# Altium PCB PCB1.PcbDoc (part 1 of 2)
Units mm, origin at the board's own origin, x right, y up, seen from the top; angles counter-clockwise.
Board outline 152.4 x 101.6 mm, 2 copper layers (Top Layer, Bottom Layer); 174 components, 0 nets, 1020 pads, 426 vias.
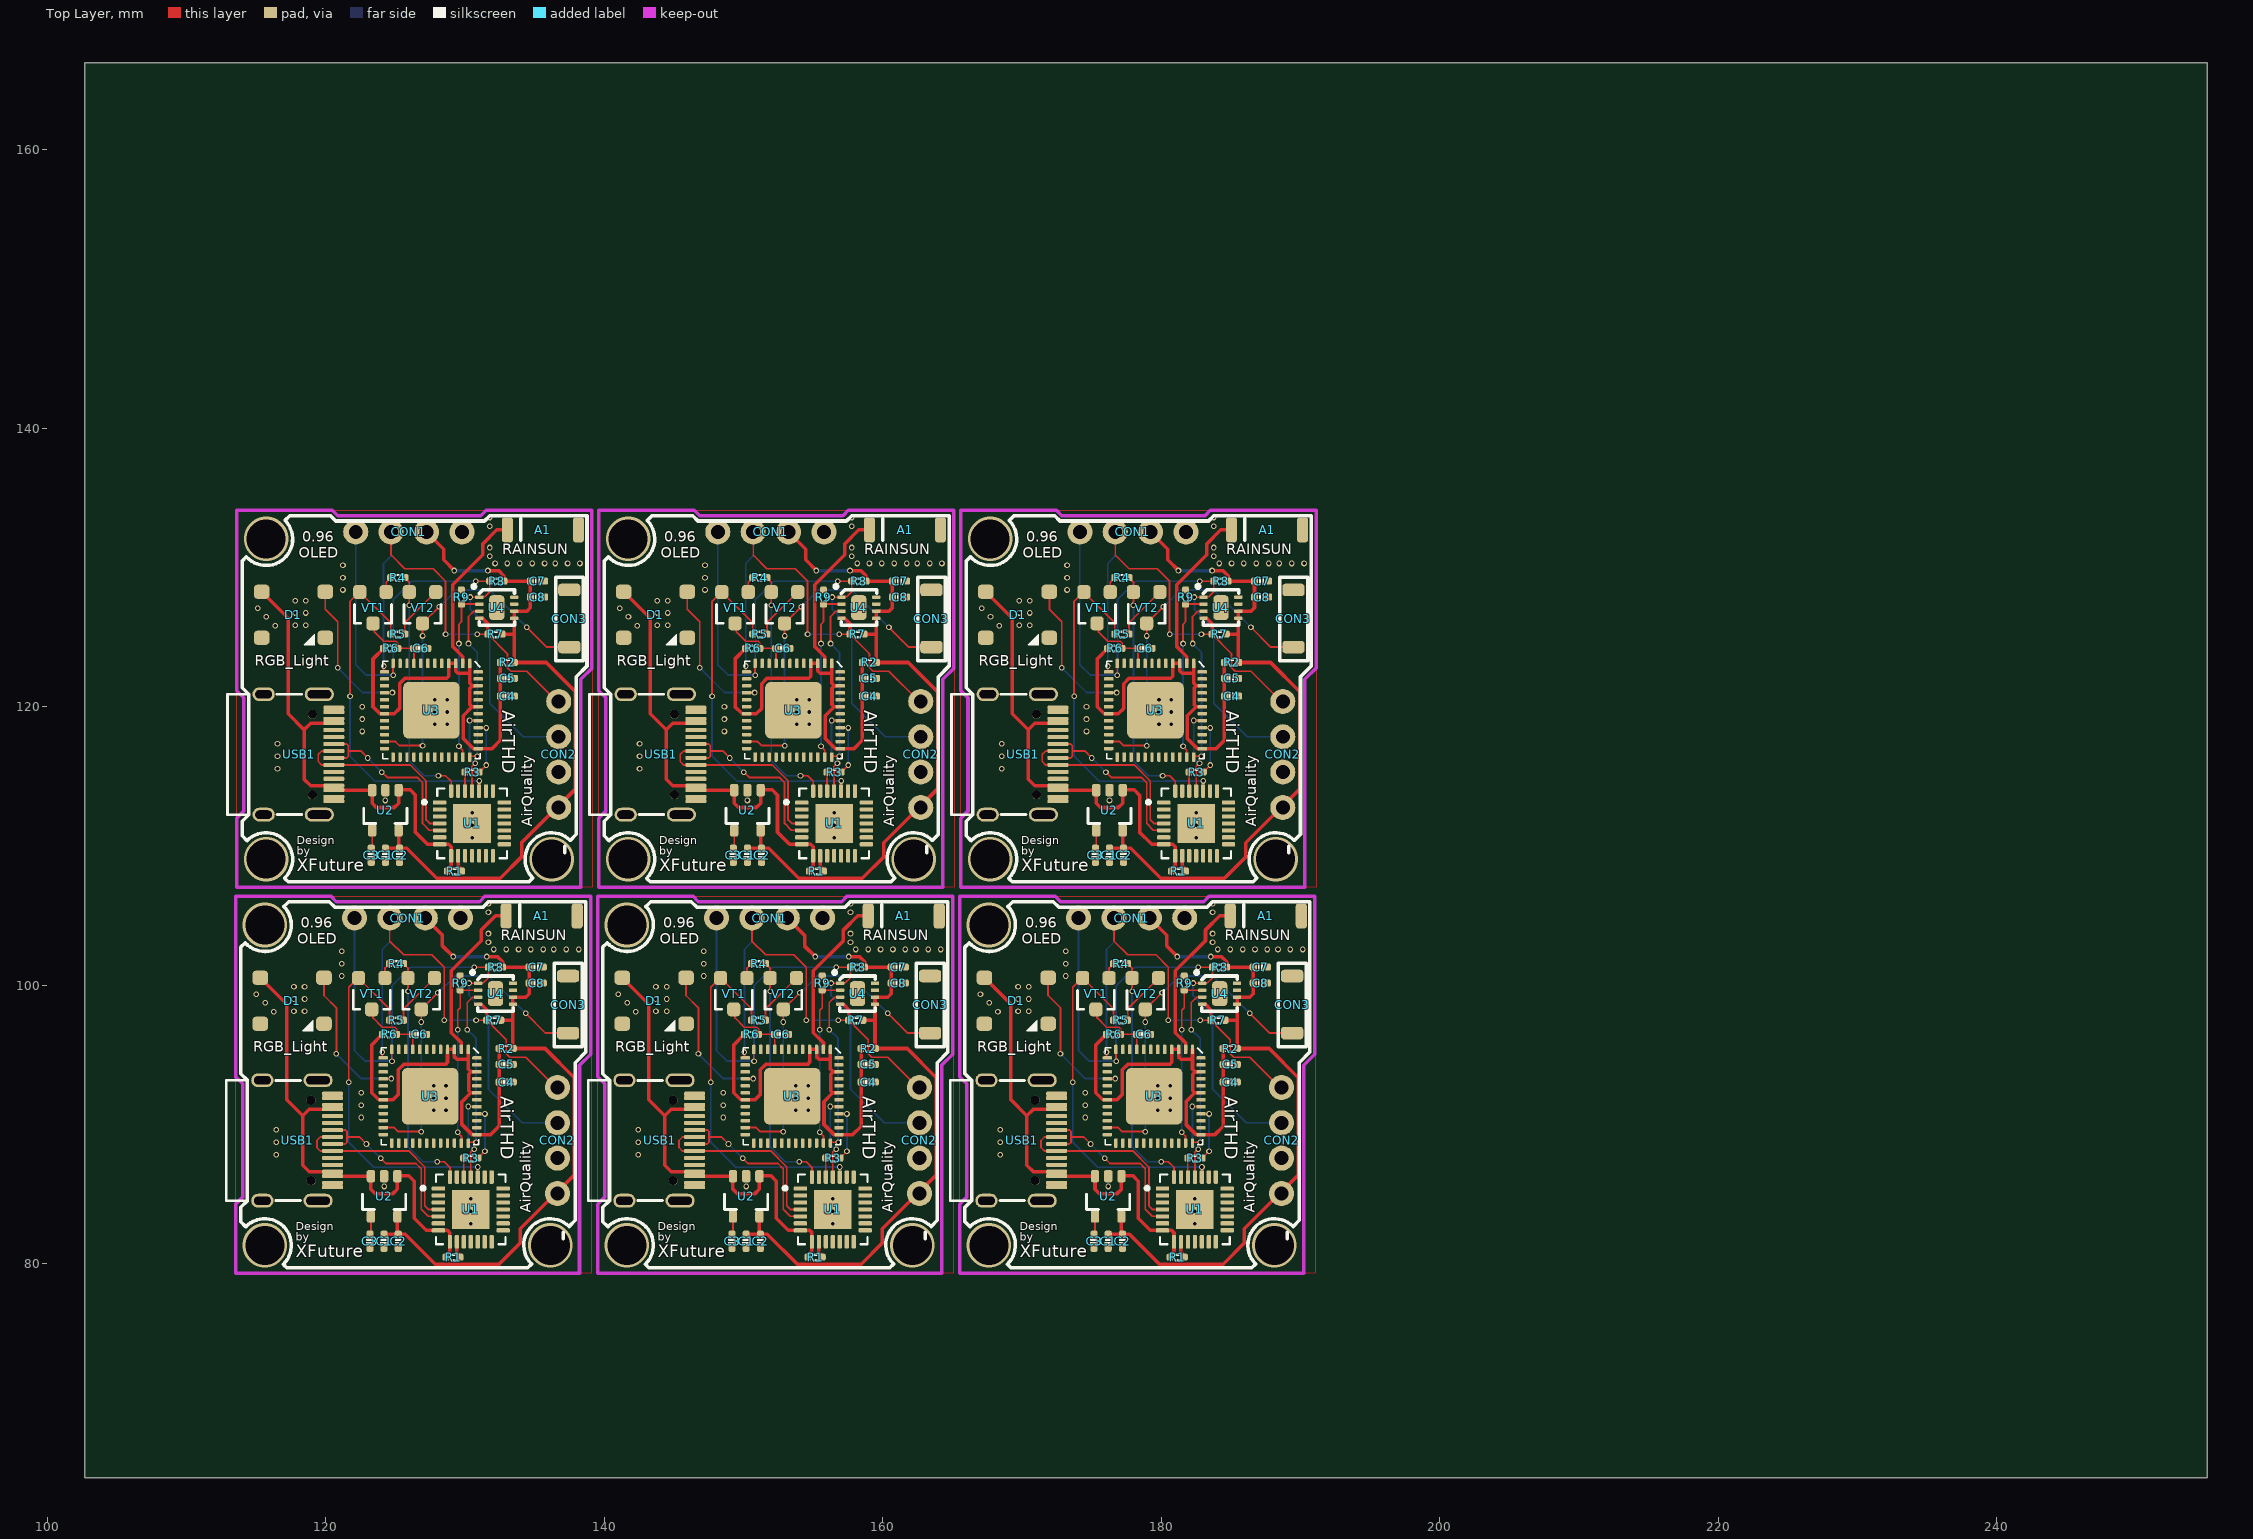
[diagram p0: Top Layer view]
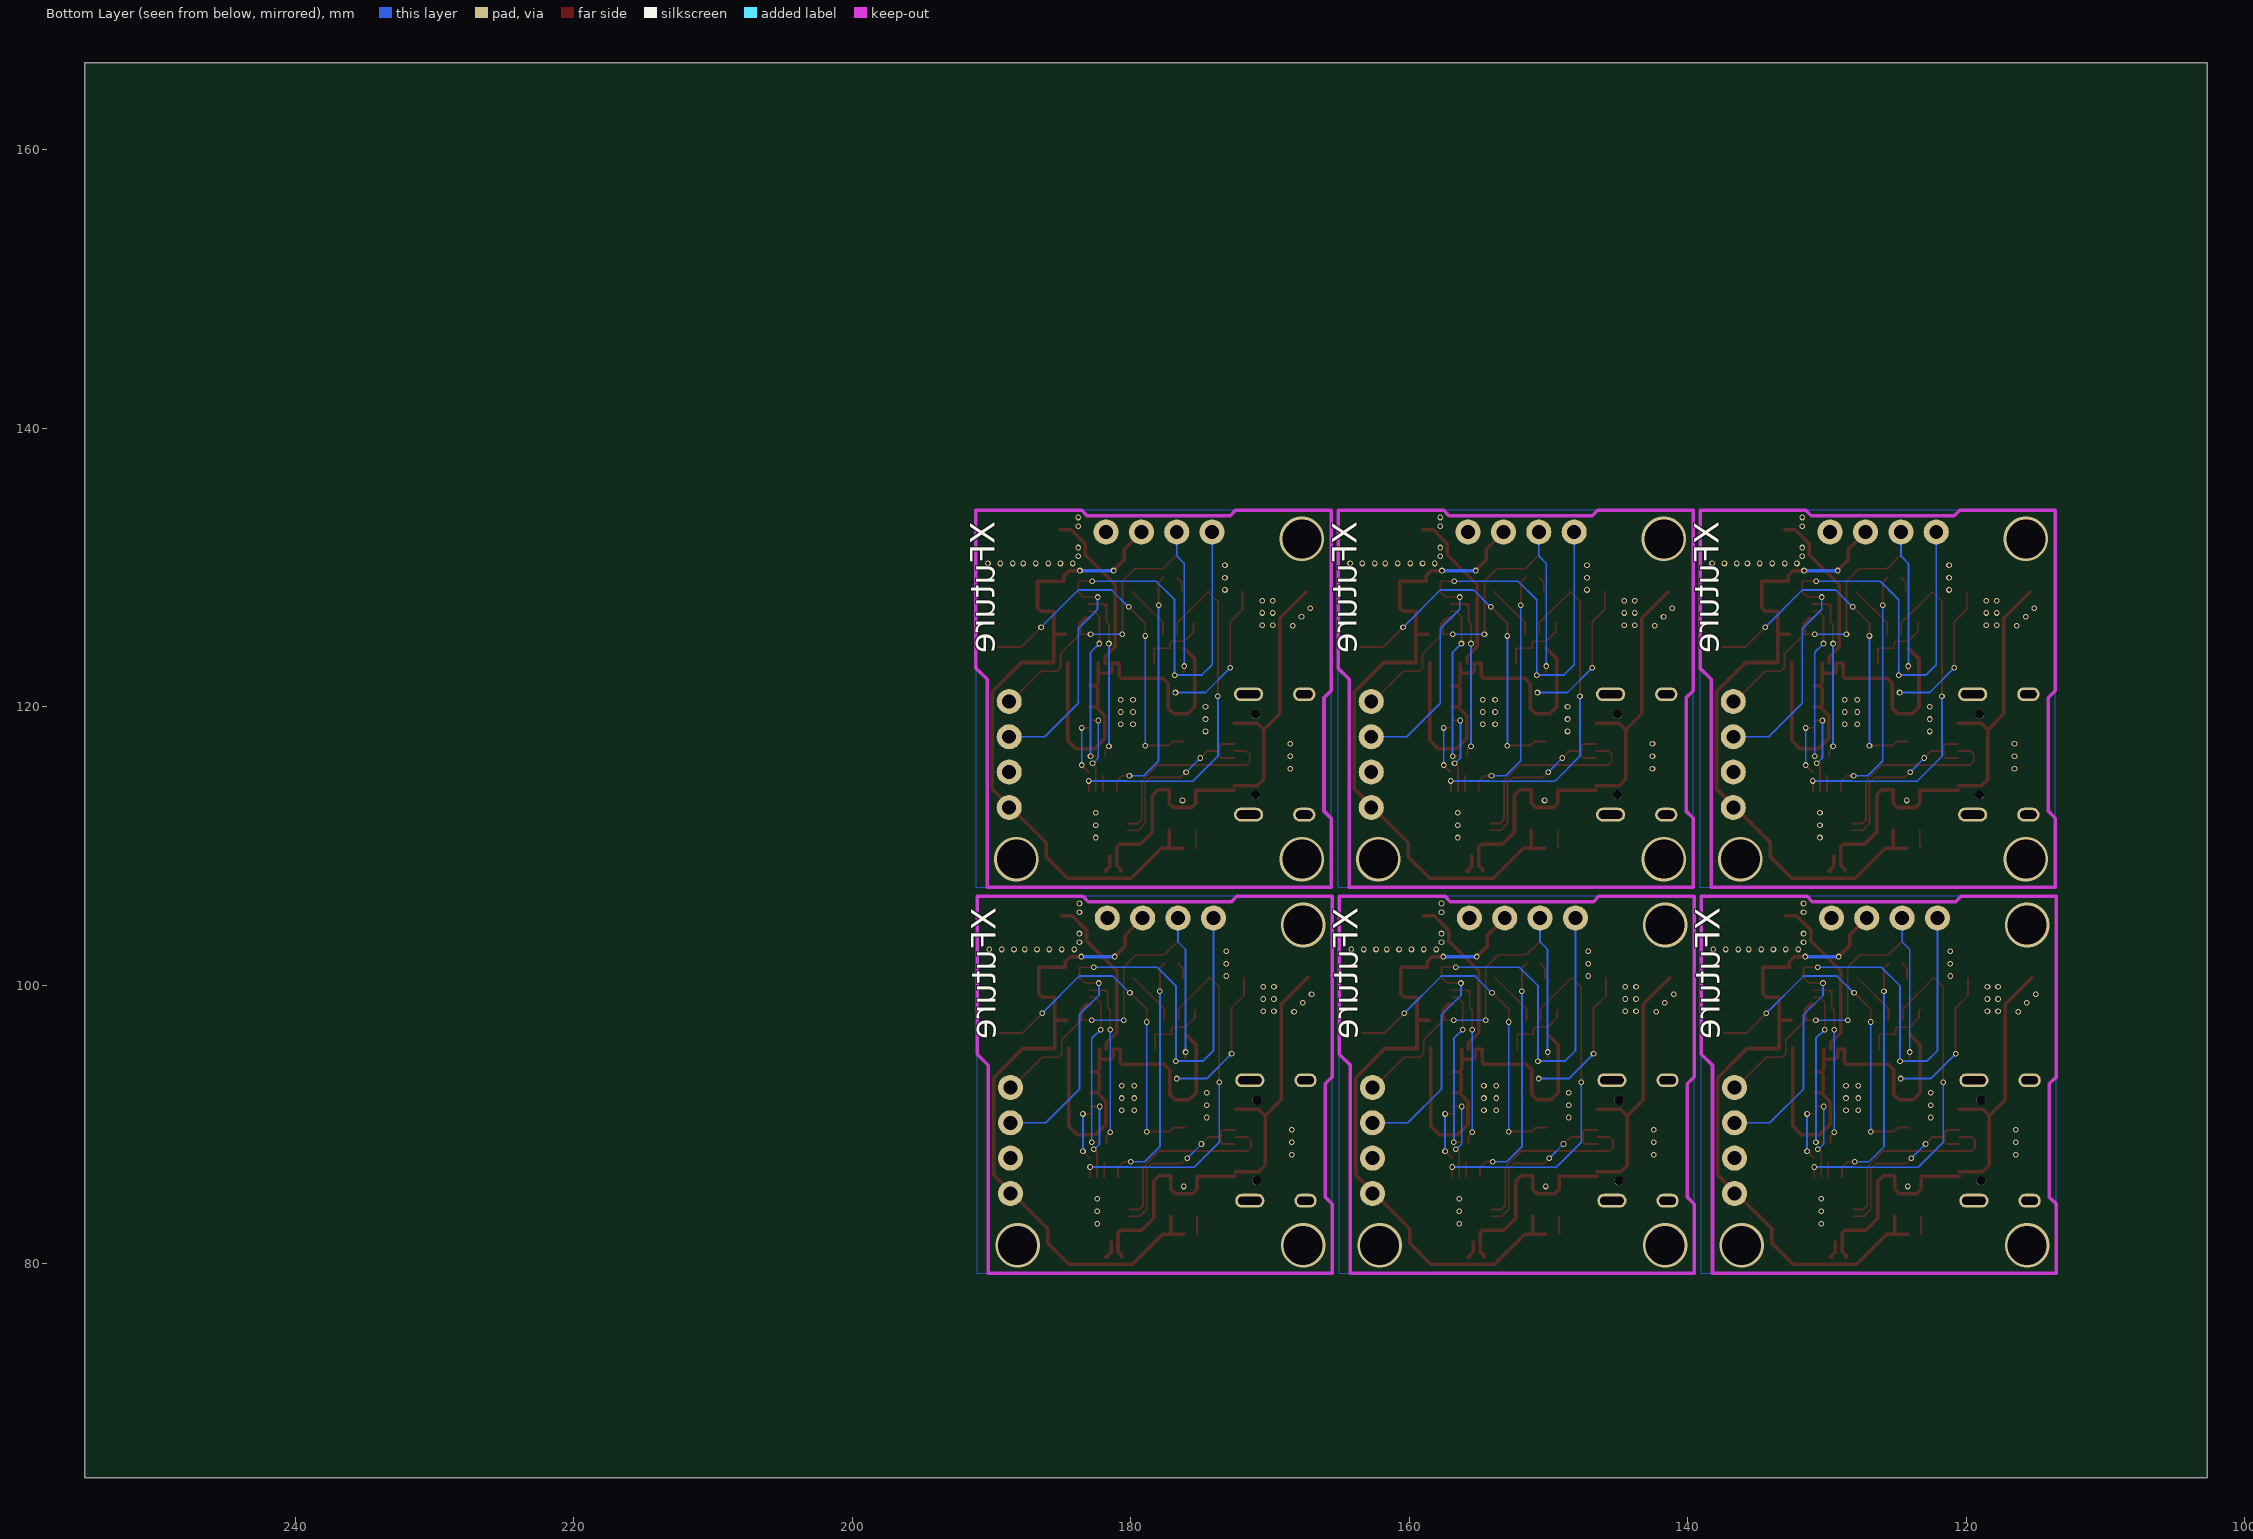
[diagram p1: Bottom Layer view, seen from below]

## Layer stack, top to bottom
Top Solder: solder mask 0.0102, Solder Resist, Dk 3.5
Top Layer: signal copper 0.0356
Dielectric 1: dielectric 0.32, FR-4, Dk 4.8
Bottom Layer: signal copper 0.0356
Bottom Solder: solder mask 0.0102, Solder Resist, Dk 3.5

## Board outline
102.69,64.619 255.09,64.619 255.09,166.219 102.69,166.219

## Design rules (kind name [scope] priority, off if disabled: settings)
Clearance [All] p1: gap=0.127 ignorepadtopadclearanceinfootprint=FALSE
ComponentClearance [All] p1: gap=0 collisioncheckmode=3 verticalgap=0 showdistances=FALSE
DiffPairsRouting [All] p1: maxlimit=0.229 minlimit=0.229 mostfreqgap=0.229 toplayer_minwidth=0.102 toplayer_maxwidth=0.102 toplayer_prefwidth=0.102 bottomlayer_minwidth=0.102 bottomlayer_maxwidth=0.102 bottomlayer_prefwidth=0.102 maxuncoupledlength=12.7
FanoutControl Fanout_BGA [All] p1: bgadir=Out bgaviamode=Centered fanoutstyle=Auto fanoutdirection=Alternating viagrid=0.025 // Fanout_BGA (Default Rule)
HoleSize [All] p1: absolutevalues=TRUE maxlimit=254 minlimit=0.203 maxpercent=80.000 minpercent=20.000
MinimumSolderMaskSliver [All] p1 off: minsoldermaskwidth=0.051
PlaneClearance [All] p1: clearance=0.203
PlaneConnect [All] p1: planeconnectstyle=Direct reliefexpansion=0.508 reliefentries=4 reliefconductorwidth=0.254 reliefairgap=0.254
PolygonConnect [All] p1: connectstyle=Direct reliefconductorwidth=0.254 reliefentries=4 polygonreliefangle="90 Angle" airgapwidth=0.254
RoutingVias [All] p1: holewidth=0.203 width=0.406 viastyle="Through Hole" minholewidth=0.152 minwidth=0.305 maxholewidth=0.711 maxwidth=1.27
SilkToSilkClearance [All] p1: silktosilkclearance=0
SilkToSolderMaskClearance [IsPad] p1: minsilkscreentomaskgap=0 clearancetoexposedcopper=TRUE
SolderMaskExpansion [All] p1: expansion=0.076 istentingtop=FALSE
Width [All] p1: maxlimit=254 minlimit=0.102 preferedwidth=0.127
21 further rules are at their usual default settings.

## Components (designator, comment, footprint, x,y, rotation, side; value= is the part's Value field where it differs from the comment)
A1 "RAINSUN" ANT-Rainsun-AN5120 187.48,104.965 r0 top
A1 "RAINSUN" ANT-Rainsun-AN5120 161.481,104.965 r0 top
A1 "RAINSUN" ANT-Rainsun-AN5120 135.481,104.965 r0 top
A1 "RAINSUN" ANT-Rainsun-AN5120 187.572,132.687 r0 top
A1 "RAINSUN" ANT-Rainsun-AN5120 161.572,132.687 r0 top
A1 "RAINSUN" ANT-Rainsun-AN5120 135.572,132.687 r0 top
C1 "0.1uF" CAP_0402 176.177,81.597 r90 top value=0.1u
C1 "0.1uF" CAP_0402 150.177,81.597 r90 top value=0.1u
C1 "0.1uF" CAP_0402 124.178,81.597 r90 top value=0.1u
C1 "0.1uF" CAP_0402 176.269,109.319 r90 top value=0.1u
C1 "0.1uF" CAP_0402 150.269,109.319 r90 top value=0.1u
C1 "0.1uF" CAP_0402 124.269,109.319 r90 top value=0.1u
C2 "10uF" CAP_0402 177.193,81.598 r90 top value=0.1u
C2 "10uF" CAP_0402 151.194,81.598 r90 top value=0.1u
C2 "10uF" CAP_0402 125.194,81.598 r90 top value=0.1u
C2 "10uF" CAP_0402 177.285,109.319 r90 top value=0.1u
C2 "10uF" CAP_0402 151.285,109.319 r90 top value=0.1u
C2 "10uF" CAP_0402 125.285,109.319 r90 top value=0.1u
C3 "10nF" CAP_0402 175.161,81.597 r90 top value=0.1u
C3 "10nF" CAP_0402 149.161,81.597 r90 top value=0.1u
C3 "10nF" CAP_0402 123.162,81.597 r90 top value=0.1u
C3 "10nF" CAP_0402 175.253,109.319 r90 top value=0.1u
C3 "10nF" CAP_0402 149.253,109.319 r90 top value=0.1u
C3 "10nF" CAP_0402 123.253,109.319 r90 top value=0.1u
C4 "10uF" CAP_0402 184.94,93.027 r180 top value=0.1u
C4 "10uF" CAP_0402 158.94,93.027 r180 top value=0.1u
C4 "10uF" CAP_0402 132.941,93.027 r180 top value=0.1u
C4 "10uF" CAP_0402 185.032,120.749 r180 top value=0.1u
C4 "10uF" CAP_0402 159.032,120.749 r180 top value=0.1u
C4 "10uF" CAP_0402 133.032,120.749 r180 top value=0.1u
C5 "0.1uF" CAP_0402 184.94,94.297 r180 top value=0.1u
C5 "0.1uF" CAP_0402 158.94,94.297 r180 top value=0.1u
C5 "0.1uF" CAP_0402 132.941,94.297 r180 top value=0.1u
C5 "0.1uF" CAP_0402 185.032,122.019 r180 top value=0.1u
C5 "0.1uF" CAP_0402 159.032,122.019 r180 top value=0.1u
C5 "0.1uF" CAP_0402 133.032,122.019 r180 top value=0.1u
C6 "0.1uF" CAP_0402 178.717,96.456 r0 top value=0.1u
C6 "0.1uF" CAP_0402 152.718,96.456 r0 top value=0.1u
C6 "0.1uF" CAP_0402 126.718,96.456 r0 top value=0.1u
C6 "0.1uF" CAP_0402 178.809,124.178 r0 top value=0.1u
C6 "0.1uF" CAP_0402 152.809,124.178 r0 top value=0.1u
C6 "0.1uF" CAP_0402 126.809,124.178 r0 top value=0.1u
C7 "0.1uF" CAP_0402 187.099,101.282 r180 top value=0.1u
C7 "0.1uF" CAP_0402 161.1,101.282 r180 top value=0.1u
C7 "0.1uF" CAP_0402 135.1,101.282 r180 top value=0.1u
C7 "0.1uF" CAP_0402 187.191,129.004 r180 top value=0.1u
C7 "0.1uF" CAP_0402 161.191,129.004 r180 top value=0.1u
C7 "0.1uF" CAP_0402 135.191,129.004 r180 top value=0.1u
C8 "4.7uF" CAP_0402 187.099,100.139 r180 top value=0.1u
C8 "4.7uF" CAP_0402 161.1,100.139 r180 top value=0.1u
C8 "4.7uF" CAP_0402 135.1,100.139 r180 top value=0.1u
C8 "4.7uF" CAP_0402 187.191,127.861 r180 top value=0.1u
C8 "4.7uF" CAP_0402 161.191,127.861 r180 top value=0.1u
C8 "4.7uF" CAP_0402 135.191,127.861 r180 top value=0.1u
CON1 "0.96_OLED" 4Pin排针 177.859,104.811 r180 top
CON1 "0.96_OLED" 4Pin排针 151.86,104.811 r180 top
CON1 "0.96_OLED" 4Pin排针 125.86,104.811 r180 top
CON1 "0.96_OLED" 4Pin排针 177.951,132.533 r180 top
CON1 "0.96_OLED" 4Pin排针 151.951,132.533 r180 top
CON1 "0.96_OLED" 4Pin排针 125.951,132.533 r180 top
CON2 "SGP30" 4Pin排针 188.623,88.837 r90 top
CON2 "SGP30" 4Pin排针 162.624,88.837 r90 top
CON2 "SGP30" 4Pin排针 136.624,88.837 r90 top
CON2 "SGP30" 4Pin排针 188.715,116.558 r90 top
CON2 "SGP30" 4Pin排针 162.715,116.558 r90 top
CON2 "SGP30" 4Pin排针 136.715,116.558 r90 top
CON3 "按钮" 3*4贴片按钮 189.258,98.742 r270 top
CON3 "按钮" 3*4贴片按钮 163.258,98.742 r270 top
CON3 "按钮" 3*4贴片按钮 137.259,98.742 r270 top
CON3 "按钮" 3*4贴片按钮 189.35,126.464 r270 top
CON3 "按钮" 3*4贴片按钮 163.35,126.464 r270 top
CON3 "按钮" 3*4贴片按钮 137.35,126.464 r270 top
D1 "RGB" LED_5050_WS2812B 169.573,98.87 r0 top
D1 "RGB" LED_5050_WS2812B 143.573,98.87 r0 top
D1 "RGB" LED_5050_WS2812B 117.574,98.87 r0 top
D1 "RGB" LED_5050_WS2812B 169.665,126.591 r0 top
D1 "RGB" LED_5050_WS2812B 143.665,126.591 r0 top
D1 "RGB" LED_5050_WS2812B 117.665,126.591 r0 top
R1 "10K" RES_0402 181.13,80.454 r0 top value=22R
R1 "10K" RES_0402 155.13,80.454 r0 top value=22R
R1 "10K" RES_0402 129.131,80.454 r0 top value=22R
R1 "10K" RES_0402 181.222,108.176 r0 top value=22R
R1 "10K" RES_0402 155.222,108.176 r0 top value=22R
R1 "10K" RES_0402 129.222,108.176 r0 top value=22R
R2 "0R" RES_0402 184.94,95.441 r180 top value=22R
R2 "0R" RES_0402 158.94,95.441 r180 top value=22R
R2 "0R" RES_0402 132.941,95.441 r180 top value=22R
R2 "0R" RES_0402 185.032,123.162 r180 top value=22R
R2 "0R" RES_0402 159.032,123.162 r180 top value=22R
R2 "0R" RES_0402 133.032,123.162 r180 top value=22R
R3 "200R" RES_0402 182.4,87.566 r180 top value=22R
R3 "200R" RES_0402 156.4,87.566 r180 top value=22R
R3 "200R" RES_0402 130.401,87.566 r180 top value=22R
R3 "200R" RES_0402 182.492,115.288 r180 top value=22R
R3 "200R" RES_0402 156.492,115.288 r180 top value=22R
R3 "200R" RES_0402 130.492,115.288 r180 top value=22R
R4 "12K" RES_0402 177.066,101.537 r180 top value=22R
R4 "12K" RES_0402 151.066,101.537 r180 top value=22R
R4 "12K" RES_0402 125.067,101.537 r180 top value=22R
R4 "12K" RES_0402 177.158,129.258 r180 top value=22R
R4 "12K" RES_0402 151.158,129.258 r180 top value=22R
R4 "12K" RES_0402 125.158,129.258 r180 top value=22R
R5 "12K" RES_0402 177.066,97.472 r0 top value=22R
R5 "12K" RES_0402 151.066,97.472 r0 top value=22R
R5 "12K" RES_0402 125.067,97.472 r0 top value=22R
R5 "12K" RES_0402 177.158,125.194 r0 top value=22R
R5 "12K" RES_0402 151.158,125.194 r0 top value=22R
R5 "12K" RES_0402 125.158,125.194 r0 top value=22R
R6 "10K" RES_0402 176.558,96.456 r0 top value=22R
R6 "10K" RES_0402 150.558,96.456 r0 top value=22R
R6 "10K" RES_0402 124.559,96.456 r0 top value=22R
R6 "10K" RES_0402 176.65,124.178 r0 top value=22R
R6 "10K" RES_0402 150.65,124.178 r0 top value=22R
R6 "10K" RES_0402 124.65,124.178 r0 top value=22R
R7 "10K" RES_0402 184.051,97.472 r0 top value=22R
R7 "10K" RES_0402 158.052,97.472 r0 top value=22R
R7 "10K" RES_0402 132.052,97.472 r0 top value=22R
R7 "10K" RES_0402 184.143,125.194 r0 top value=22R
R7 "10K" RES_0402 158.143,125.194 r0 top value=22R
R7 "10K" RES_0402 132.143,125.194 r0 top value=22R
R8 "10K" RES_0402 184.178,101.282 r0 top value=22R
R8 "10K" RES_0402 158.178,101.282 r0 top value=22R
R8 "10K" RES_0402 132.179,101.282 r0 top value=22R
R8 "10K" RES_0402 184.27,129.004 r0 top value=22R
R8 "10K" RES_0402 158.27,129.004 r0 top value=22R
R8 "10K" RES_0402 132.27,129.004 r0 top value=22R
R9 "10K" RES_0402 181.638,100.139 r270 top value=22R
R9 "10K" RES_0402 155.638,100.139 r270 top value=22R
R9 "10K" RES_0402 129.639,100.139 r270 top value=22R
R9 "10K" RES_0402 181.73,127.861 r270 top value=22R
R9 "10K" RES_0402 155.73,127.861 r270 top value=22R
R9 "10K" RES_0402 129.73,127.861 r270 top value=22R
U1 "CP2102" QFN-28 182.4,83.883 r0 top value=Value
U1 "CP2102" QFN-28 156.4,83.883 r0 top value=Value
U1 "CP2102" QFN-28 130.401,83.883 r0 top value=Value
U1 "CP2102" QFN-28 182.492,111.605 r0 top value=Value
U1 "CP2102" QFN-28 156.492,111.605 r0 top value=Value
U1 "CP2102" QFN-28 130.492,111.605 r0 top value=Value
U2 "LP2992 3V3" SOT23-5 176.177,84.772 r270 top
U2 "LP2992 3V3" SOT23-5 150.177,84.772 r270 top
U2 "LP2992 3V3" SOT23-5 124.178,84.772 r270 top
U2 "LP2992 3V3" SOT23-5 176.269,112.494 r270 top
U2 "LP2992 3V3" SOT23-5 150.269,112.494 r270 top
U2 "LP2992 3V3" SOT23-5 124.269,112.494 r270 top
U3 "ESP32_SIP" QFN-48_7X7 179.479,92.011 r270 top
U3 "ESP32_SIP" QFN-48_7X7 153.48,92.011 r270 top
U3 "ESP32_SIP" QFN-48_7X7 127.48,92.011 r270 top
U3 "ESP32_SIP" QFN-48_7X7 179.571,119.733 r270 top
U3 "ESP32_SIP" QFN-48_7X7 153.571,119.733 r270 top
U3 "ESP32_SIP" QFN-48_7X7 127.571,119.733 r270 top
U4 "SHT30" SHT30 184.178,99.377 r0 top
U4 "SHT30" SHT30 158.178,99.377 r0 top
U4 "SHT30" SHT30 132.179,99.377 r0 top
U4 "SHT30" SHT30 184.27,127.099 r0 top
U4 "SHT30" SHT30 158.27,127.099 r0 top
U4 "SHT30" SHT30 132.27,127.099 r0 top
USB1 "Type-C" Type-C-TOP 169.954,88.837 r180 top
USB1 "Type-C" Type-C-TOP 143.954,88.837 r180 top
USB1 "Type-C" Type-C-TOP 117.955,88.837 r180 top
USB1 "Type-C" Type-C-TOP 170.046,116.558 r180 top
USB1 "Type-C" Type-C-TOP 144.046,116.558 r180 top
USB1 "Type-C" Type-C-TOP 118.046,116.558 r180 top
VT1 "S8050" SMT_TRIODE_NPN 175.288,99.377 r180 top
VT1 "S8050" SMT_TRIODE_NPN 149.288,99.377 r180 top
VT1 "S8050" SMT_TRIODE_NPN 123.289,99.377 r180 top
VT1 "S8050" SMT_TRIODE_NPN 175.38,127.099 r180 top
VT1 "S8050" SMT_TRIODE_NPN 149.38,127.099 r180 top
VT1 "S8050" SMT_TRIODE_NPN 123.38,127.099 r180 top
VT2 "S8050" SMT_TRIODE_NPN 178.844,99.377 r180 top
VT2 "S8050" SMT_TRIODE_NPN 152.844,99.377 r180 top
VT2 "S8050" SMT_TRIODE_NPN 126.844,99.377 r180 top
VT2 "S8050" SMT_TRIODE_NPN 178.936,127.099 r180 top
VT2 "S8050" SMT_TRIODE_NPN 152.936,127.099 r180 top
VT2 "S8050" SMT_TRIODE_NPN 126.936,127.099 r180 top

## Footprints (in the part's own frame and the unit in brackets; to place one, negate y for a bottom-side part, rotate by r counter-clockwise, add the part's x,y. Pads: shape width x height; smd on the part's side, far side on the other; paste and mask are expansions set on the pad)
3*4贴片按钮 [mm]
  rrect50% 0.9x1.6 smd: 1(-1.905,0.127) 2(2.195,0.127)
  silkscreen extent -2.83,-0.86 3.17,1.14, body extent -2.79,-0.89 3.17,1.14, height 0.25
4Pin排针 [mm]
  round 1.8 hole 1: 1(-3.81,0) 2(-1.27,0) 3(1.27,0) 4(3.81,0)
  body extent -5.21,-1.27 5.21,1.27, height 0.25
ANT-Rainsun-AN5120 [mm]
  rrect50% 0.8x1.8 smd: 1(-2.54,0) ""(2.563,0)
  silkscreen extent -1.57,-0.76 -1.57,0.79, body extent -2.57,-0.91 2.54,0.94, height 1.32
CAP_0402 [mil]
  rrect50% 20x20 smd: 1(-20,0) 2(20,0)
  silkscreen extent -7,-9 7,9, body extent -20,-10 20,10, height 20
LED_5050_WS2812B [mil]
  rrect50% 44x40 smd: 1(-90,65) 2(-90,-65) 3(90,-65) 4(90,65)
  silkscreen extent 30,-85 60,-55, body extent -106,-98 106,98, height 69
QFN-28 [mil]
  rrect50% 38x12 smd mask+5: 1(-91.5,59.06) 2(-91.5,39.37) 3(-91.5,19.68) 4(-91.5,0) 5(-91.5,-19.68) 6(-91.5,-39.37) 7(-91.5,-59.06) 15(91.5,-59.06) 16(91.5,-39.37) 17(91.5,-19.68) 18(91.5,0) 19(91.5,19.68) 20(91.5,39.37) 21(91.5,59.06)
  rrect50% 12x38 smd mask+5: 8(-59.06,-91.5) 9(-39.37,-91.5) 10(-19.69,-91.5) 11(0,-91.5) 12(19.68,-91.5) 13(39.37,-91.5) 14(59.06,-91.5) 22(59.06,91.5) 23(39.37,91.5) 24(19.68,91.5) 25(0,91.5) 26(-19.69,91.5) 27(-39.37,91.5) 28(-59.06,91.5)
  rect 106.3x110.24 smd: 29(0,0)
  silkscreen extent -140,-98 98,98, body extent -98,-98 98,98, height 35
QFN-48_7X7 [mm]
  rrect20% 4.064x4.064 smd: 0(0,0)
  rrect50% 0.675x0.25 smd: 1(-3.362,2.75) 2(-3.362,2.25) 3(-3.363,1.75) 4(-3.363,1.25) 5(-3.363,0.75) 6(-3.362,0.25) 7(-3.362,-0.25) 8(-3.362,-0.75) 9(-3.362,-1.25) 10(-3.362,-1.75) 11(-3.363,-2.25) 12(-3.363,-2.75) 25(3.363,-2.75) 26(3.363,-2.25) 27(3.363,-1.75) 28(3.363,-1.25) 29(3.363,-0.75) 30(3.362,-0.25) 31(3.362,0.25) 32(3.363,0.75) 33(3.363,1.25) 34(3.363,1.75) 35(3.363,2.25) 36(3.363,2.75)
  rrect50% 0.25x0.675 smd: 13(-2.75,-3.363) 14(-2.25,-3.363) 15(-1.75,-3.363) 16(-1.25,-3.363) 17(-0.75,-3.363) 18(-0.25,-3.362) 19(0.25,-3.362) 20(0.75,-3.363) 21(1.25,-3.363) 22(1.75,-3.363) 23(2.25,-3.363) 24(2.75,-3.363) 37(2.75,3.363) 38(2.25,3.363) 39(1.75,3.362) 40(1.25,3.362) 41(0.75,3.362) 42(0.25,3.362) 43(-0.25,3.362) 44(-0.75,3.363) 45(-1.25,3.363) 46(-1.75,3.363) 47(-2.25,3.362) 48(-2.75,3.362)
  silkscreen extent -3.5,-3.5 3.5,3.5, body extent -3.5,-3.5 3.5,3.5, height 1
RES_0402 [mil]
  rrect50% 20x20 smd: 1(-20,0) 2(20,0)
  silkscreen extent -6,-10 6,10, body extent -20,-10 20,10, height 14
SHT30 [mm]
  rrect50% 0.6x0.25 smd: 1(-1.25,0.75) 2(-1.25,0.25) 3(-1.25,-0.25) 4(-1.25,-0.75) 5(1.25,-0.766) 6(1.25,-0.25) 7(1.25,0.25) 8(1.25,0.75)
  rrect50% 1.1x1.8 smd: 9(0,0)
  silkscreen extent -1.78,-1.27 1.27,1.65, body extent -1.27,-1.27 1.27,1.27, height 0.25
SMT_TRIODE_NPN [mm]
  rrect50% 0.95x1 smd: 1(-0.95,-1.125) 2(0.95,-1.125) 3(0,1.125)
  silkscreen extent -1.33,-0.22 1.32,1.13, body extent -1.45,-1.4 1.45,1.4, height 1.3
SOT23-5 [mm]
  rrect50% 0.889x0.6 smd: 1(-1.5,0.95) 2(-1.5,0) 3(-1.5,-0.95) 4(1.396,-0.95) 5(1.396,0.95)
  silkscreen extent -0.2,-1.55 0.9,1.55, body extent -1.48,-1.45 1.32,1.45, height 1.2
Type-C-TOP [mm]
  round 0.65 hole 0.65: 0(-0.98,2.89) 0(-0.98,-2.89)
  oval 1.6x1 hole 0.6 slot 1.2 at 0 deg: 1(2.52,4.325) 2(2.52,-4.325)
  oval 2.1x1 hole 0.6 slot 1.7 at 0 deg: 3(-1.48,-4.325) 4(-1.48,4.325)
  rrect50% 1.5x0.3 smd: A1(-2.52,-3.35) A4(-2.52,-2.55) A5(-2.52,-1.25) A6(-2.52,-0.25) A7(-2.52,0.25) A8(-2.52,1.25) A9(-2.52,2.55) A12(-2.52,3.35) B1(-2.52,3.05) B4(-2.52,2.25) B5(-2.52,1.75) B6(-2.52,0.75) B7(-2.52,-0.75) B8(-2.52,-1.75) B9(-2.52,-2.25) B12(-2.52,-3.05)
  silkscreen extent -0.22,-4.33 5.12,4.33, body extent -2.57,-4.48 5.18,4.48, height 3.26

## Part data
A1 A1 A1 A1 A1 A1: library part ANT-Rainsun-AP5120
C1 C1 C1 C1 C1 C1 C2 C2 C2 C2 C2 C2 C3 C3 C3 C3 C3 C3 C4 C4 C4 C4 C4 C4 C5 C5 C5 C5 C5 C5 C6 C6 C6 C6 C6 C6 C7 C7 C7 C7 C7 C7 C8 C8 C8 C8 C8 C8: library part 电容-0402, "Capacitor"
D1 D1 D1 D1 D1 D1: library part LED_5050_WS2812B, "LED", Type=5050
R1 R1 R1 R1 R1 R1 R2 R2 R2 R2 R2 R2 R3 R3 R3 R3 R3 R3 R4 R4 R4 R4 R4 R4 R5 R5 R5 R5 R5 R5 R6 R6 R6 R6 R6 R6 R7 R7 R7 R7 R7 R7 R8 R8 R8 R8 R8 R8 R9 R9 R9 R9 R9 R9: library part 电阻-0402, "Resistor"
U1 U1 U1 U1 U1 U1: "USB转TTL", MFG #1="SILICON LABS", PART DESC="SINGLE-CHIP USB TO UART BRIDGE, QFN28, RoHS.", PART NUMBER=CP2102, RefDes=RefDes, Type=DEV
U2 U2 U2 U2 U2 U2: library part LP2992, "LDO"
U3 U3 U3 U3 U3 U3: library part ESP32-PICO
USB1 USB1 USB1 USB1 USB1 USB1: library part USB-Type-C-TOP
VT1 VT1 VT1 VT1 VT1 VT1 VT2 VT2 VT2 VT2 VT2 VT2: library part SMT_TRIODE_NPN, "Surface mount NPN transistor, package SOT-23"

## Via types
v1: diameter 0.406, hole 0.254, Top Layer to Bottom Layer, 408 vias
v2: diameter 3.2, hole 2.8, Top Layer to Bottom Layer, 18 vias

## Nets (pads, with @x,y where several pads share a name; then routed paths per layer and width w, separated by ;. In a path a pad name is that pad's centre, name@x,y a point inside that pad or via, vN(x,y) a via of type N, cw(c..) or ccw(c..) an arc to the next point about the centre after c; other vN are vias at no path point)
pads on no net: A1. A1.1 C1.1 C1.2 C2.1 C2.2 C3.1 C3.2 C4.1 C4.2 C5.1 C5.2 C6.1 C6.2 C7.1 C7.2 C8.1 C8.2 CON1.1 CON1.2 CON1.3 CON1.4 CON2.1 CON2.2 CON2.3 CON2.4 CON3.1 CON3.2 D1.1 D1.2 D1.3 D1.4 R1.1 R1.2 R2.1 R2.2 R3.1 R3.2 R4.1 R4.2 R5.1 R5.2 R6.1 R6.2 R7.1 R7.2 R8.1 R8.2 R9.1 R9.2 U1.1 U1.2 U1.3 U1.4 U1.5 U1.6 U1.7 U1.8 U1.9 U1.10 U1.11 U1.12 U1.13 U1.14 U1.15 U1.16 U1.17 U1.18 U1.19 U1.20 U1.21 U1.22 U1.23 U1.24 U1.25 U1.26 U1.27 U1.28 U1.29 U2.1 U2.2 U2.3 U2.4 U2.5 U3.0 U3.1 U3.2 U3.3 U3.4 U3.5 U3.6 U3.7 U3.8 U3.9 U3.10 U3.11 U3.12 U3.13 U3.14 U3.15 U3.16 U3.17 U3.18 U3.19 U3.20 U3.21 U3.22 U3.23 U3.24 U3.25 U3.26 U3.27 U3.28 U3.29 U3.30 U3.31 U3.32 U3.33 U3.34 U3.35 U3.36 U3.37 U3.38 U3.39 U3.40 U3.41 U3.42 U3.43 U3.44 U3.45 U3.46 U3.47 U3.48 U4.1 U4.2 U4.3 U4.4 U4.5 U4.6 U4.7 U4.8 U4.9 USB1.0 USB1.1 USB1.2 USB1.3 USB1.4 USB1.A1 USB1.A4 USB1.A5 USB1.A6 USB1.A7 USB1.A8 USB1.A9 USB1.A12 USB1.B1 USB1.B4 USB1.B5 USB1.B6 USB1.B7 USB1.B8 USB1.B9 USB1.B12 VT1.1 VT1.2 VT1.3 VT2.1 VT2.2 VT2.3